# KiCad board RGBSUB.kicad_pcb
title: EnvKB; date: 2021-04-06; rev: Rev.1
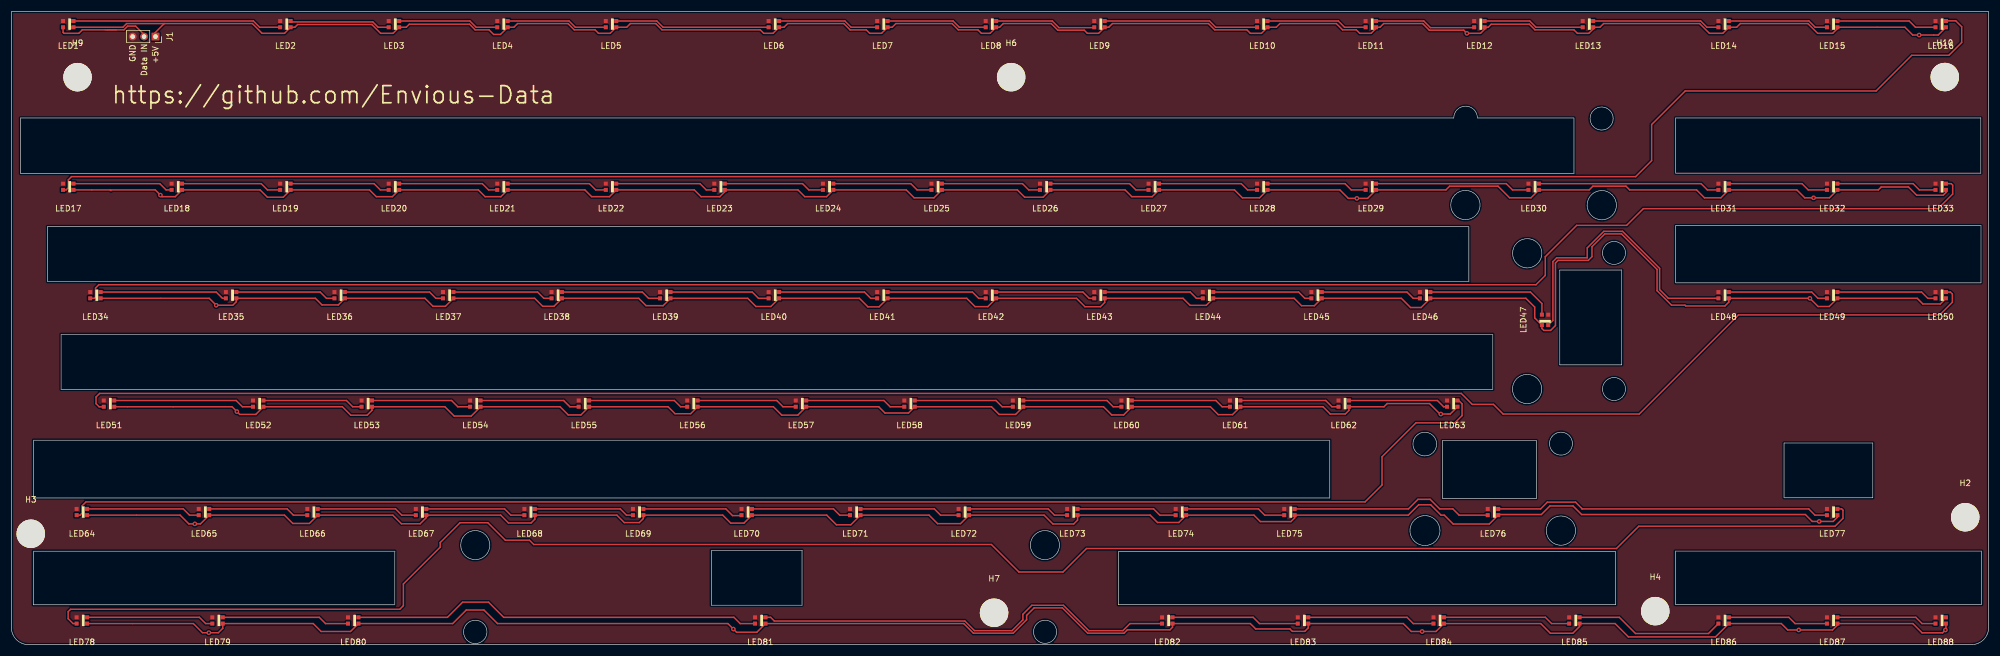
[diagram p0: board, top side]
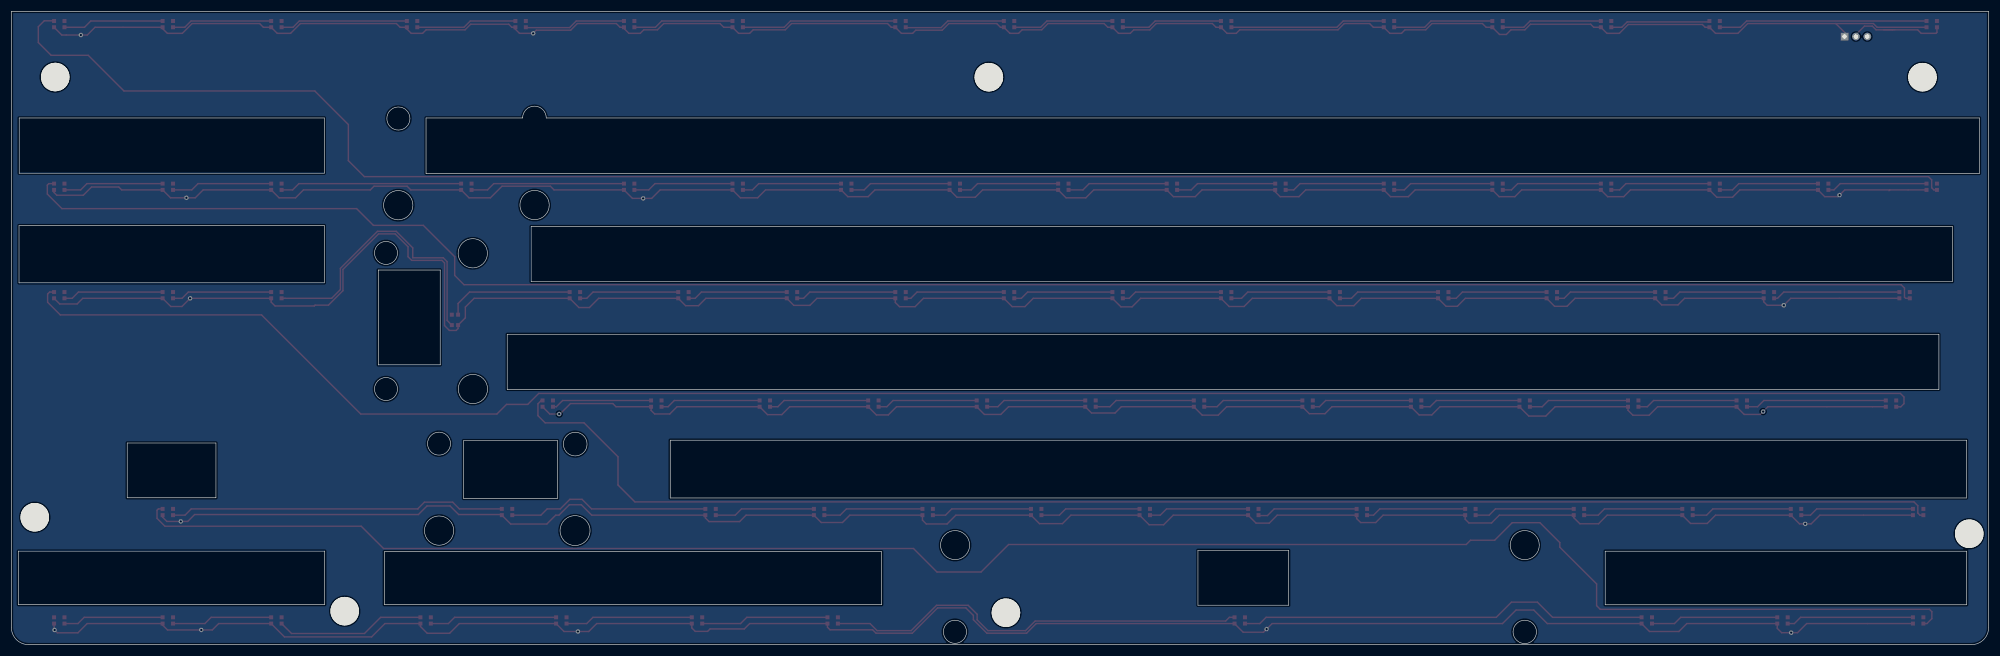
[diagram p1: board, bottom side, seen from below]

Outline 347 x 111.26 mm; copper layers: Top, Bottom. Coordinates in mm from the lower left corner of the outline.
Outline path: circle c81.41,2.23 r2.05 ; circle c81.41,17.48 r2.55 ; circle c181.38,17.48 r2.55 ; circle c181.41,2.25 r2.03 ; circle c248.05,35.23 r2.08 ; circle c248.08,20.03 r2.63 ; circle c255.18,77.23 r2.57 ; circle c266,44.91 r2.57 ; circle c266.03,68.76 r2.57 ; circle c271.94,20.03 r2.57 ; circle c271.95,35.31 r2.02 ; circle c279.08,92.44 r2.03 ; circle c279.11,77.21 r2.57 ; circle c281.26,68.82 r2.02 ; circle c281.26,44.91 r2.02 ; 0,3 0,111.26 347,111.26 347,3 arc(346.12,0.88) 344,0 3,0 arc(0.88,0.88) 0,3 ; 1.61,92.53 253.13,92.53 arc(255.21,94.61) 257.28,92.53 274.23,92.53 274.23,82.78 1.61,82.78 1.61,92.53 ; 3.85,16.41 67.29,16.41 67.29,7 3.85,7 3.85,16.41 ; 3.88,35.91 231.37,35.91 231.37,25.76 3.88,25.76 3.88,35.91 ; 6.35,73.45 255.78,73.45 255.78,63.78 6.35,63.78 6.35,73.45 ; 8.72,54.5 259.98,54.5 259.98,44.84 8.72,44.84 8.72,54.5 ; 122.83,16.56 138.76,16.56 138.76,6.92 122.83,6.92 122.83,16.56 ; 194.27,16.32 281.55,16.32 281.55,7.01 194.27,7.01 194.27,16.32 ; 251.14,35.84 267.64,35.84 267.64,25.69 251.14,25.69 251.14,35.84 ; 271.74,65.81 282.61,65.81 282.61,49.16 271.74,49.16 271.74,65.81 ; 292.01,16.42 345.77,16.42 345.77,7.03 292.01,7.03 292.01,16.42 ; 292.08,92.53 345.63,92.53 345.63,82.84 292.08,82.84 292.08,92.53 ; 292.08,73.62 345.66,73.62 345.66,63.56 292.08,63.56 292.08,73.62 ; 311.1,35.42 326.67,35.42 326.67,25.81 311.1,25.81 311.1,35.42

## Placement (name value [footprint] x y rotation side)
H2  MountingHole  [MountingHole_5mm]  342.9 22.38 0 top
H3  MountingHole  [MountingHole_5mm]  3.4 19.48 0 top
H4  MountingHole  [MountingHole_5mm]  288.5 5.88 0 top
H6  MountingHole  [MountingHole_5mm]  175.46 99.7 0 top
H7  MountingHole  [MountingHole_5mm]  172.46 5.6 0 top
H9  MountingHole  [MountingHole_5mm]  11.61 99.7 0 top
H10  MountingHole  [MountingHole_5mm]  339.31 99.72 0 top
J1  Conn_01x04  [PinSocket_1x03_P2.00mm_Vertical]  25.28 106.83 270 top
LED1  SK6812MINI-E  [WS2812-2020]  9.98 109.02 0 top
LED2  SK6812MINI-E  [WS2812-2020]  48.08 109.02 0 top
LED3  SK6812MINI-E  [WS2812-2020]  67.13 109.02 0 top
LED4  SK6812MINI-E  [WS2812-2020]  86.18 109.02 0 top
LED5  SK6812MINI-E  [WS2812-2020]  105.23 109.02 0 top
LED6  SK6812MINI-E  [WS2812-2020]  133.81 109.02 0 top
LED7  SK6812MINI-E  [WS2812-2020]  152.86 109.02 0 top
LED8  SK6812MINI-E  [WS2812-2020]  171.91 109.02 0 top
LED9  SK6812MINI-E  [WS2812-2020]  190.96 109.02 0 top
LED10  SK6812MINI-E  [WS2812-2020]  219.53 109.02 0 top
LED11  SK6812MINI-E  [WS2812-2020]  238.58 109.02 0 top
LED12  SK6812MINI-E  [WS2812-2020]  257.63 109.02 0 top
LED13  SK6812MINI-E  [WS2812-2020]  276.68 109.02 0 top
LED14  SK6812MINI-E  [WS2812-2020]  300.5 109.02 0 top
LED15  SK6812MINI-E  [WS2812-2020]  319.55 109.02 0 top
LED16  SK6812MINI-E  [WS2812-2020]  338.6 109.02 0 top
LED17  SK6812MINI-E  [WS2812-2020]  9.98 80.44 0 top
LED18  SK6812MINI-E  [WS2812-2020]  29.03 80.44 0 top
LED19  SK6812MINI-E  [WS2812-2020]  48.08 80.44 0 top
LED20  SK6812MINI-E  [WS2812-2020]  67.13 80.44 0 top
LED21  SK6812MINI-E  [WS2812-2020]  86.18 80.44 0 top
LED22  SK6812MINI-E  [WS2812-2020]  105.23 80.44 0 top
LED23  SK6812MINI-E  [WS2812-2020]  124.28 80.44 0 top
LED24  SK6812MINI-E  [WS2812-2020]  143.33 80.44 0 top
LED25  SK6812MINI-E  [WS2812-2020]  162.38 80.44 0 top
LED26  SK6812MINI-E  [WS2812-2020]  181.43 80.44 0 top
LED27  SK6812MINI-E  [WS2812-2020]  200.48 80.44 0 top
LED28  SK6812MINI-E  [WS2812-2020]  219.53 80.44 0 top
LED29  SK6812MINI-E  [WS2812-2020]  238.58 80.44 0 top
LED30  SK6812MINI-E  [WS2812-2020]  267.16 80.44 0 top
LED31  SK6812MINI-E  [WS2812-2020]  300.5 80.44 0 top
LED32  SK6812MINI-E  [WS2812-2020]  319.55 80.44 0 top
LED33  SK6812MINI-E  [WS2812-2020]  338.6 80.44 0 top
LED34  SK6812MINI-E  [WS2812-2020]  14.75 61.4 0 top
LED35  SK6812MINI-E  [WS2812-2020]  38.56 61.4 0 top
LED36  SK6812MINI-E  [WS2812-2020]  57.61 61.4 0 top
LED37  SK6812MINI-E  [WS2812-2020]  76.66 61.4 0 top
LED38  SK6812MINI-E  [WS2812-2020]  95.71 61.4 0 top
LED39  SK6812MINI-E  [WS2812-2020]  114.76 61.4 0 top
LED40  SK6812MINI-E  [WS2812-2020]  133.81 61.4 0 top
LED41  SK6812MINI-E  [WS2812-2020]  152.86 61.4 0 top
LED42  SK6812MINI-E  [WS2812-2020]  171.91 61.4 0 top
LED43  SK6812MINI-E  [WS2812-2020]  190.96 61.4 0 top
LED44  SK6812MINI-E  [WS2812-2020]  210.01 61.4 0 top
LED45  SK6812MINI-E  [WS2812-2020]  229.06 61.4 0 top
LED46  SK6812MINI-E  [WS2812-2020]  248.11 61.4 0 top
LED47  SK6812MINI-E  [WS2812-2020]  269.16 57.06 270 top
LED48  SK6812MINI-E  [WS2812-2020]  300.5 61.4 0 top
LED49  SK6812MINI-E  [WS2812-2020]  319.55 61.4 0 top
LED50  SK6812MINI-E  [WS2812-2020]  338.6 61.4 0 top
LED51  SK6812MINI-E  [WS2812-2020]  17.13 42.34 0 top
LED52  SK6812MINI-E  [WS2812-2020]  43.32 42.34 0 top
LED53  SK6812MINI-E  [WS2812-2020]  62.37 42.34 0 top
LED54  SK6812MINI-E  [WS2812-2020]  81.42 42.34 0 top
LED55  SK6812MINI-E  [WS2812-2020]  100.47 42.34 0 top
LED56  SK6812MINI-E  [WS2812-2020]  119.52 42.34 0 top
LED57  SK6812MINI-E  [WS2812-2020]  138.57 42.34 0 top
LED58  SK6812MINI-E  [WS2812-2020]  157.62 42.34 0 top
LED59  SK6812MINI-E  [WS2812-2020]  176.67 42.34 0 top
LED60  SK6812MINI-E  [WS2812-2020]  195.72 42.34 0 top
LED61  SK6812MINI-E  [WS2812-2020]  214.77 42.34 0 top
LED62  SK6812MINI-E  [WS2812-2020]  233.82 42.34 0 top
LED63  SK6812MINI-E  [WS2812-2020]  252.87 42.34 0 top
LED64  SK6812MINI-E  [WS2812-2020]  12.36 23.29 0 top
LED65  SK6812MINI-E  [WS2812-2020]  33.8 23.29 0 top
LED66  SK6812MINI-E  [WS2812-2020]  52.85 23.29 0 top
LED67  SK6812MINI-E  [WS2812-2020]  71.9 23.29 0 top
LED68  SK6812MINI-E  [WS2812-2020]  90.95 23.29 0 top
LED69  SK6812MINI-E  [WS2812-2020]  110 23.29 0 top
LED70  SK6812MINI-E  [WS2812-2020]  129.05 23.29 0 top
LED71  SK6812MINI-E  [WS2812-2020]  148.1 23.29 0 top
LED72  SK6812MINI-E  [WS2812-2020]  167.15 23.29 0 top
LED73  SK6812MINI-E  [WS2812-2020]  186.2 23.29 0 top
LED74  SK6812MINI-E  [WS2812-2020]  205.25 23.29 0 top
LED75  SK6812MINI-E  [WS2812-2020]  224.3 23.29 0 top
LED76  SK6812MINI-E  [WS2812-2020]  260.01 23.29 0 top
LED77  SK6812MINI-E  [WS2812-2020]  319.55 23.29 0 top
LED78  SK6812MINI-E  [WS2812-2020]  12.36 4.25 0 top
LED79  SK6812MINI-E  [WS2812-2020]  36.18 4.25 0 top
LED80  SK6812MINI-E  [WS2812-2020]  59.99 4.25 0 top
LED81  SK6812MINI-E  [WS2812-2020]  131.43 4.25 0 top
LED82  SK6812MINI-E  [WS2812-2020]  202.86 4.25 0 top
LED83  SK6812MINI-E  [WS2812-2020]  226.68 4.25 0 top
LED84  SK6812MINI-E  [WS2812-2020]  250.49 4.25 0 top
LED85  SK6812MINI-E  [WS2812-2020]  274.3 4.25 0 top
LED86  SK6812MINI-E  [WS2812-2020]  300.5 4.25 0 top
LED87  SK6812MINI-E  [WS2812-2020]  319.55 4.25 0 top
LED88  SK6812MINI-E  [WS2812-2020]  338.6 4.25 0 top

## Footprints (pads in the part's own frame, mm; a bottom-side part is the same pattern mirrored in y, then rotated)
MountingHole_5mm
  round 5 hole 5 unplated: (0,0)
PinSocket_1x03_P2.00mm_Vertical
  rect 1.35x1.35 hole 0.8: 1(0,0)
  oval 1.35x1.35 hole 0.8: 2(0,-2) 3(0,-4)
WS2812-2020
  rect 0.7x0.7 smd: 1(0.915,-0.55) 2(0.915,0.55) 3(-0.915,0.55) 4(-0.915,-0.55)

## Nets
GND: J1.3 LED1.3 LED2.3 LED3.3 LED4.3 LED5.3 LED6.3 LED7.3 LED8.3 LED9.3 LED10.3 LED11.3 LED12.3 LED13.3 LED14.3 LED15.3 LED16.3 LED17.3 LED18.3 LED19.3 LED20.3 LED21.3 LED22.3 LED23.3 LED24.3 LED25.3 LED26.3 LED27.3 LED28.3 LED29.3 LED30.3 LED31.3 LED32.3 LED33.3 LED34.3 LED35.3 LED36.3 LED37.3 LED38.3 LED39.3 LED40.3 LED41.3 LED42.3 LED43.3 LED44.3 LED45.3 LED46.3 LED47.3 LED48.3 LED49.3 LED50.3 LED51.3 LED52.3 LED53.3 LED54.3 LED55.3 LED56.3 LED57.3 LED58.3 LED59.3 LED60.3 LED61.3 LED62.3 LED63.3 LED64.3 LED65.3 LED66.3 LED67.3 LED68.3 LED69.3 LED70.3 LED71.3 LED72.3 LED73.3 LED74.3 LED75.3 LED76.3 LED77.3 LED78.3 LED79.3 LED80.3 LED81.3 LED82.3 LED83.3 LED84.3 LED85.3 LED86.3 LED87.3 LED88.3
LEDPIN: J1.2 LED1.4
R1-R2: LED16.2 LED17.4
R2-R3: LED33.2 LED34.4
R3-R4: LED50.2 LED51.4
R4-R5: LED63.2 LED64.4
R5-R6: LED77.2 LED78.4
USBVBUS: J1.1 LED1.1 LED2.1 LED3.1 LED4.1 LED5.1 LED6.1 LED7.1 LED8.1 LED9.1 LED10.1 LED11.1 LED12.1 LED13.1 LED14.1 LED15.1 LED16.1 LED17.1 LED18.1 LED19.1 LED20.1 LED21.1 LED22.1 LED23.1 LED24.1 LED25.1 LED26.1 LED27.1 LED28.1 LED29.1 LED30.1 LED31.1 LED32.1 LED33.1 LED34.1 LED35.1 LED36.1 LED37.1 LED38.1 LED39.1 LED40.1 LED41.1 LED42.1 LED43.1 LED44.1 LED45.1 LED46.1 LED47.1 LED48.1 LED49.1 LED50.1 LED64.1 LED65.1 LED66.1 LED67.1 LED68.1 LED69.1 LED70.1 LED71.1 LED72.1 LED73.1 LED74.1 LED75.1 LED76.1 LED77.1 LED78.1 LED79.1 LED80.1 LED81.1 LED82.1 LED83.1 LED84.1 LED85.1 LED86.1 LED87.1 LED88.1
Net-(LED1-Pad2): LED1.2 LED2.4
Net-(LED2-Pad2): LED2.2 LED3.4
Net-(LED3-Pad2): LED3.2 LED4.4
Net-(LED4-Pad2): LED4.2 LED5.4
Net-(LED5-Pad2): LED5.2 LED6.4
Net-(LED6-Pad2): LED6.2 LED7.4
Net-(LED7-Pad2): LED7.2 LED8.4
Net-(LED8-Pad2): LED8.2 LED9.4
Net-(LED10-Pad2): LED10.2 LED11.4
Net-(LED10-Pad4): LED9.2 LED10.4
Net-(LED11-Pad2): LED11.2 LED12.4
Net-(LED12-Pad2): LED12.2 LED13.4
Net-(LED13-Pad2): LED13.2 LED14.4
Net-(LED14-Pad2): LED14.2 LED15.4
Net-(LED15-Pad2): LED15.2 LED16.4
Net-(LED17-Pad2): LED17.2 LED18.4
Net-(LED18-Pad2): LED18.2 LED19.4
Net-(LED19-Pad2): LED19.2 LED20.4
Net-(LED20-Pad2): LED20.2 LED21.4
Net-(LED21-Pad2): LED21.2 LED22.4
Net-(LED22-Pad2): LED22.2 LED23.4
Net-(LED23-Pad2): LED23.2 LED24.4
Net-(LED24-Pad2): LED24.2 LED25.4
Net-(LED25-Pad2): LED25.2 LED26.4
Net-(LED26-Pad2): LED26.2 LED27.4
Net-(LED27-Pad2): LED27.2 LED28.4
Net-(LED28-Pad2): LED28.2 LED29.4
Net-(LED29-Pad2): LED29.2 LED30.4
Net-(LED30-Pad2): LED30.2 LED31.4
Net-(LED31-Pad2): LED31.2 LED32.4
Net-(LED32-Pad2): LED32.2 LED33.4
Net-(LED34-Pad2): LED34.2 LED35.4
Net-(LED35-Pad2): LED35.2 LED36.4
Net-(LED36-Pad2): LED36.2 LED37.4
Net-(LED37-Pad2): LED37.2 LED38.4
Net-(LED38-Pad2): LED38.2 LED39.4
Net-(LED39-Pad2): LED39.2 LED40.4
Net-(LED40-Pad2): LED40.2 LED41.4
Net-(LED41-Pad2): LED41.2 LED42.4
Net-(LED42-Pad2): LED42.2 LED43.4
Net-(LED43-Pad2): LED43.2 LED44.4
Net-(LED44-Pad2): LED44.2 LED45.4
Net-(LED45-Pad2): LED45.2 LED46.4
Net-(LED46-Pad2): LED46.2 LED47.4
Net-(LED47-Pad2): LED47.2 LED48.4
Net-(LED48-Pad2): LED48.2 LED49.4
Net-(LED49-Pad2): LED49.2 LED50.4
Net-(LED51-Pad1): LED51.1 LED52.1 LED53.1 LED54.1 LED55.1 LED56.1 LED57.1 LED58.1 LED59.1 LED60.1 LED61.1 LED62.1 LED63.1
Net-(LED51-Pad2): LED51.2 LED52.4
Net-(LED52-Pad2): LED52.2 LED53.4
Net-(LED53-Pad2): LED53.2 LED54.4
Net-(LED54-Pad2): LED54.2 LED55.4
Net-(LED55-Pad2): LED55.2 LED56.4
Net-(LED56-Pad2): LED56.2 LED57.4
Net-(LED57-Pad2): LED57.2 LED58.4
Net-(LED58-Pad2): LED58.2 LED59.4
Net-(LED59-Pad2): LED59.2 LED60.4
Net-(LED60-Pad2): LED60.2 LED61.4
Net-(LED61-Pad2): LED61.2 LED62.4
Net-(LED62-Pad2): LED62.2 LED63.4
Net-(LED64-Pad2): LED64.2 LED65.4
Net-(LED65-Pad2): LED65.2 LED66.4
Net-(LED66-Pad2): LED66.2 LED67.4
Net-(LED67-Pad2): LED67.2 LED68.4
Net-(LED68-Pad2): LED68.2 LED69.4
Net-(LED69-Pad2): LED69.2 LED70.4
Net-(LED70-Pad2): LED70.2 LED71.4
Net-(LED71-Pad2): LED71.2 LED72.4
Net-(LED72-Pad2): LED72.2 LED73.4
Net-(LED73-Pad2): LED73.2 LED74.4
Net-(LED74-Pad2): LED74.2 LED75.4
Net-(LED75-Pad2): LED75.2 LED76.4
Net-(LED76-Pad2): LED76.2 LED77.4
Net-(LED78-Pad2): LED78.2 LED79.4
Net-(LED79-Pad2): LED79.2 LED80.4
Net-(LED80-Pad2): LED80.2 LED81.4
Net-(LED81-Pad2): LED81.2 LED82.4
Net-(LED82-Pad2): LED82.2 LED83.4
Net-(LED83-Pad2): LED83.2 LED84.4
Net-(LED84-Pad2): LED84.2 LED85.4
Net-(LED85-Pad2): LED85.2 LED86.4
Net-(LED86-Pad2): LED86.2 LED87.4
Net-(LED87-Pad2): LED87.2 LED88.4

Pads without a net: LED88 2

## Via types
v1: diameter 0.8, hole 0.4, Top to Bottom, 16 vias

## Routing (per net, layer and track width the routed paths; a pad name or vN(x,y) marks a point on that pad's centre or on a via; arc(x,y) is an arc through that point)
LEDPIN: length 17.8
  Top w0.25: LED1.4 9.07,107.57 9.23,107.41 11.83,107.41 12.45,108.02 16.79,108.02 ; 16.79,108.02 18.42,108.02 ; 16.79,108.02 19.75,108.02 20.4,108.67 21.79,108.67 23.21,107.25
R1-R2: length 354.4
  Top w0.25: LED17.4 9.61,79.9 9.99,80.28 9.99,81.66 10.55,82.22 285.05,82.22 287.86,85.03 287.86,91.38 293.75,97.27 327.24,97.27 333.51,103.55 340.02,103.55 342.27,105.8 342.27,108.56 341.23,109.6 339.55,109.6 LED16.2
R2-R3: length 340.2
  Top w0.25: LED34.4 14.56,60.84 14.76,61.04 14.76,62.65 15.35,63.24 267.56,63.24 269.2,64.87 269.2,68.16 274.71,73.66 283.47,73.66 286.41,76.6 338.13,76.6 340.69,79.16 340.69,80.73 340.43,81 LED33.2
R3-R4: length 341.2
  Top w0.25: LED51.4 16.2,41.78 15.4,41.78 14.85,42.34 14.85,43.5 15.48,44.13 254.45,44.13 256.38,42.2 260.1,42.2 261.79,40.51 285.68,40.51 303.1,57.93 338.42,57.93 340.64,60.16 340.64,61.59 340.29,61.94 LED50.2
R4-R5: length 257.2
  Top w0.25: LED64.4 12.05,22.75 12.42,23.12 12.42,24.41 13.09,25.07 237.57,25.07 240.54,28.04 240.54,33 246.5,38.97 253.32,38.97 254.59,40.23 254.59,42.31 254,42.9 LED63.2
R5-R6: length 333.7
  Top w0.25: LED77.2 321.2,23.84 321.44,23.61 321.44,22.19 320.05,20.8 285.6,20.8 281.69,16.88 188.69,16.88 184.56,12.76 176.82,12.76 171.99,17.59 91.68,17.59 90.92,18.34 86.68,18.34 83.61,21.42 78.74,21.42 75.26,17.93 75.26,17.12 68.79,10.66 68.79,6.85 68.15,6.21 10.38,6.21 9.96,5.79 9.96,4.56 10.83,3.69 LED78.4
USBVBUS: length 1742.2
  Top w0.25: LED78.1 31.93,3.69 33.53,2.09 v1(34.65,2.09) 36.32,2.09 37.09,2.86 LED79.1 52.96,3.69 54.35,2.31 59.51,2.31 LED80.1 77.44,3.69 79.82,6.07 82.93,6.07 85.31,3.69 125.74,3.69 v1(126.71,2.73) 127.26,2.17 130.82,2.17 LED81.1 167.14,3.69 168.83,2 175.8,2.01 178.17,4.38 178.17,5.13 179.49,6.45 184.45,6.45 188.9,2.01 195.25,2.01 195.85,2.6 203.33,2.6 203.78,3.05 LED82.1 217.43,3.69 218.37,2.75 224.38,2.75 224.81,2.32 226.98,2.32 227.59,2.93 LED83.1 244.28,3.69 245.67,2.31 v1(247.58,2.31) 250.01,2.31 LED84.1 268.39,3.69 270.09,2 274.02,2 275.22,3.19 LED85.1 281.44,3.69 283.78,1.35 299.07,1.35 LED86.1 310.62,3.69 311.74,2.57 v1(313.68,2.57) 319.6,2.57 320.46,3.43 LED87.1 333.7,3.69 335.32,2.07 338.93,2.07 v1(339.42,2.57) 339.51,2.66 LED88.1 ; LED64.1 29.61,22.75 31.14,21.22 v1(32.19,21.22) 33.18,21.22 LED65.1 47.92,22.75 49.38,21.28 52.3,21.28 LED66.1 66.94,22.75 68.45,21.23 71.73,21.23 72.81,22.31 LED67.1 85.86,22.75 87.23,21.38 91.2,21.38 91.86,22.03 LED68.1 106.26,22.75 107.56,21.44 110.2,21.44 110.91,22.15 LED69.1 124.84,22.75 126.24,21.34 128.56,21.34 LED70.1 143.09,22.75 144.78,21.06 147.32,21.06 LED71.1 161.05,22.75 162.54,21.25 166.57,21.25 LED72.1 181.24,22.75 182.79,21.19 186.43,21.19 187.11,21.87 LED73.1 199.85,22.75 201.14,21.45 204.87,21.45 LED74.1 218.06,22.75 219.19,21.62 224.56,21.62 225.21,22.26 LED75.1 245.15,22.75 246.98,24.57 249.07,24.57 250.9,22.75 251.47,22.75 253.03,21.19 259.37,21.19 LED76.1 261.04,22.85 268.5,22.85 270.01,24.37 274.06,24.37 275.57,22.85 314.84,22.85 316.05,21.65 v1(317.27,21.65) 319.71,21.65 320.46,22.39 LED77.1 ; LED34.1 34.72,60.84 v1(35.94,59.62) 38.85,59.62 39.47,60.25 LED35.1 53.35,60.84 54.51,59.69 57.36,59.69 LED36.1 72.58,60.84 73.98,59.44 76.17,59.44 LED37.1 91.83,60.84 93.23,59.44 95.22,59.44 LED38.1 110.09,60.84 111.38,59.56 114.38,59.56 LED39.1 129.22,60.84 130.66,59.41 133.28,59.41 LED40.1 148.82,60.84 150.32,59.34 152.27,59.34 LED41.1 167.66,60.84 169.12,59.38 171.36,59.38 LED42.1 186.93,60.84 188.4,59.38 191.13,59.38 191.87,60.12 LED43.1 205.62,60.84 206.86,59.6 209.68,59.6 LED44.1 225.12,60.84 226.42,59.54 228.67,59.54 LED45.1 243.93,60.84 245.55,59.22 247.4,59.22 LED46.1 265.79,60.84 267.33,59.31 267.33,57.41 LED47.1 268.61,55.54 268.94,55.2 270.13,55.2 270.98,56.06 270.98,67.06 271.44,67.51 276.75,67.51 277.39,68.16 277.39,69.91 279.65,72.16 282.57,72.16 288.81,65.92 288.81,62.19 291.36,59.65 293.7,59.65 293.84,59.5 300.73,59.5 301.41,60.18 LED48.1 v1(315.64,60.84) 317.08,59.41 319.02,59.41 LED49.1 334.47,60.84 335.46,59.86 338.52,59.86 LED50.1 ; 26.82,109.12 25.21,107.5 25.21,107.25 ; 26.82,109.12 20.22,109.12 19.57,108.47 LED1.1 ; 26.82,109.12 42.28,109.12 44,107.41 47.93,107.41 LED2.1 49.75,108.47 50.23,108.95 63.25,108.95 64.8,107.41 66.98,107.41 LED3.1 69.3,108.47 69.83,109 80.4,109 81.38,108.02 83.82,108.02 84.63,107.2 85.83,107.2 87.1,108.47 88.18,108.47 88.83,109.12 97.68,109.12 98.78,108.02 102.42,108.02 103.03,107.41 105.08,107.41 LED5.1 107.98,108.47 108.63,109.12 113.08,109.12 114.18,108.02 131.42,108.02 132.03,107.41 133.66,107.41 LED6.1 135.58,108.47 136.23,109.12 146.08,109.12 147.2,108 150.03,108 150.63,107.41 152.71,107.41 LED7.1 154.58,108.47 155.23,109.12 165.08,109.12 166.18,108.02 169.62,108.02 170.23,107.41 171.76,107.41 LED8.1 173.42,108.47 174.07,109.12 182.48,109.12 183.65,107.95 188.28,107.95 188.83,107.41 190.81,107.41 LED9.1 192.58,108.47 193.23,109.12 210.08,109.12 211.18,108.02 216.82,108.02 217.43,107.41 219.38,107.41 220.45,108.47 221.98,108.47 222.63,109.12 232.52,109.12 233.62,108.02 236.02,108.02 236.63,107.41 238.63,107.41 239.5,108.27 239.5,108.47 240.18,108.47 240.83,109.12 247.68,109.12 248.85,107.95 254.88,107.95 v1(255.43,107.41) 257.83,107.41 258.55,108.12 LED12.1 259.18,108.47 259.72,109 266.4,109 267.38,108.02 274.22,108.02 274.83,107.41 276.83,107.41 277.6,108.17 LED13.1 278.78,108.47 279.43,109.12 296.28,109.12 298,107.41 300.35,107.41 LED14.1 302.78,108.47 303.43,109.12 315.28,109.12 317,107.41 319.63,107.41 320.46,108.23 LED15.1 332.32,108.47 333.68,107.1 v1(334.81,107.1) 338.15,107.1 LED16.1 ; LED33.1 339.51,79.43 339.03,78.95 334.38,78.95 332.93,80.41 328.15,80.41 327.64,79.9 LED32.1 319.07,78.5 v1(316.28,78.5) 314.73,78.5 313.34,79.9 LED31.1 300.02,78.5 297.13,78.5 295.74,79.9 284,79.9 283.35,80.54 277.55,80.54 276.9,79.9 LED30.1 266.68,78.5 262.93,78.5 260.89,80.54 252.41,80.54 251.76,79.9 239.5,79.9 238.01,78.41 v1(236.13,78.41) 234.63,78.41 233.14,79.9 220.45,79.9 219.06,78.5 216.03,78.5 214.64,79.9 LED27.1 200.21,78.7 196.63,78.7 195.44,79.9 182.35,79.9 181.06,78.6 177.83,78.6 176.54,79.9 LED25.1 161.91,78.5 158.43,78.5 157.04,79.9 LED24.1 143.06,78.7 139.23,78.7 138.04,79.9 LED23.1 125.2,79.57 124.33,78.7 121.03,78.7 119.84,79.9 LED22.1 104.96,78.7 101.83,78.7 100.64,79.9 87.1,79.9 85.91,78.7 83.13,78.7 81.94,79.9 LED20.1 66.86,78.7 64.03,78.7 62.84,79.9 LED19.1 47.71,78.6 44.93,78.6 43.64,79.9 LED18.1 28.76,78.7 26.43,78.7 v1(26.16,78.98) 25.24,79.9 17.34,79.9 ; 17.34,79.9 LED17.1 ; 17.34,79.9 17.48,79.75
Net-(LED1-Pad2): length 36.7
  Top w0.25: 47.17,108.47 43.57,108.47 42.47,109.57 LED1.2
Net-(LED2-Pad2): length 17.7
  Top w0.25: LED2.2 49.16,109.41 63.43,109.41 64.37,108.47 LED3.4
Net-(LED3-Pad2): length 17.7
  Top w0.25: LED4.4 81.57,108.47 80.47,109.57 LED3.2
Net-(LED4-Pad2): length 17.7
  Top w0.25: 87.1,109.57 97.87,109.57 98.97,108.47 LED5.4
Net-(LED5-Pad2): length 27.2
  Top w0.25: LED5.2 113.27,109.57 114.37,108.47 LED6.4
Net-(LED6-Pad2): length 17.7
  Top w0.25: LED7.4 147.37,108.47 146.27,109.57 LED6.2
Net-(LED7-Pad2): length 17.7
  Top w0.25: LED8.4 166.37,108.47 165.27,109.57 LED7.2
Net-(LED8-Pad2): length 17.7
  Top w0.25: LED8.2 182.67,109.57 183.83,108.41 189.98,108.41 LED9.4
Net-(LED10-Pad2): length 17.7
  Top w0.25: LED11.4 233.97,108.47 232.87,109.57 220.45,109.57
Net-(LED10-Pad4): length 27.2
  Top w0.25: 218.62,108.47 211.37,108.47 210.27,109.57 LED9.2
Net-(LED11-Pad2): length 17.7
  Top w0.25: LED12.4 256.65,108.41 249.03,108.41 247.87,109.57 239.5,109.57
Net-(LED12-Pad2): length 17.7
  Top w0.25: 275.77,108.47 267.57,108.47 266.47,109.57 LED12.2
Net-(LED13-Pad2): length 22.4
  Top w0.25: LED14.4 297.57,108.47 296.47,109.57 LED13.2
Net-(LED14-Pad2): length 17.7
  Top w0.25: LED15.4 316.57,108.47 315.47,109.57 LED14.2
Net-(LED15-Pad2): length 17.7
  Top w0.25: LED16.4 334.17,108.47 333.07,109.57 LED15.2
Net-(LED17-Pad2): length 17.7
  Top w0.25: 28.12,79.9 27.14,79.9 26.04,81 LED17.2
Net-(LED18-Pad2): length 17.7
  Top w0.25: 47.17,79.9 44.94,79.9 43.84,81 LED18.2
Net-(LED19-Pad2): length 17.7
  Top w0.25: LED20.4 64.74,79.9 63.64,81 LED19.2
Net-(LED20-Pad2): length 17.7
  Top w0.25: LED20.2 82.64,81 83.74,79.9 LED21.4
Net-(LED21-Pad2): length 17.7
  Top w0.25: 87.1,81 101.44,81 102.54,79.9 LED22.4
Net-(LED22-Pad2): length 17.7
  Top w0.25: LED22.2 120.84,81 121.94,79.9 LED23.4
Net-(LED23-Pad2): length 17.7
  Top w0.25: LED24.4 139.94,79.9 138.84,81 LED23.2
Net-(LED24-Pad2): length 17.7
  Top w0.25: LED24.2 157.84,81 158.94,79.9 LED25.4
Net-(LED25-Pad2): length 17.7
  Top w0.25: LED25.2 177.44,81 178.54,79.9 LED26.4
Net-(LED26-Pad2): length 17.7
  Top w0.25: 182.35,81 196.24,81 197.34,79.9 LED27.4
Net-(LED27-Pad2): length 17.7
  Top w0.25: LED27.2 215.84,81 216.94,79.9 218.62,79.9
Net-(LED28-Pad2): length 17.7
  Top w0.25: 220.45,81 234.04,81 235.14,79.9 LED29.4
Net-(LED29-Pad2): length 27.2
  Top w0.25: LED30.4 263.44,79.9 262.34,81 239.5,81
Net-(LED30-Pad2): length 32
  Top w0.25: LED31.4 297.64,79.9 296.54,81 LED30.2
Net-(LED31-Pad2): length 17.7
  Top w0.25: LED32.4 315.34,79.9 314.24,81 LED31.2
Net-(LED32-Pad2): length 17.7
  Top w0.25: LED33.4 334.84,79.9 333.74,81 LED32.2
Net-(LED34-Pad2): length 22.4
  Top w0.25: LED35.4 37.04,60.84 35.94,61.94 LED34.2
Net-(LED35-Pad2): length 17.7
  Top w0.25: LED36.4 55.29,60.84 54.19,61.94 LED35.2
Net-(LED36-Pad2): length 17.7
  Top w0.25: LED37.4 74.49,60.84 73.39,61.94 LED36.2
Net-(LED37-Pad2): length 17.7
  Top w0.25: LED38.4 93.44,60.84 92.34,61.94 LED37.2
Net-(LED38-Pad2): length 17.7
  Top w0.25: LED39.4 111.82,60.84 110.72,61.94 LED38.2
Net-(LED39-Pad2): length 17.7
  Top w0.25: LED39.2 130.01,61.94 131.11,60.84 LED40.4
Net-(LED40-Pad2): length 17.7
  Top w0.25: LED40.2 149.71,61.94 150.81,60.84 LED41.4
Net-(LED41-Pad2): length 17.7
  Top w0.25: LED42.4 169.75,60.84 168.65,61.94 LED41.2
Net-(LED42-Pad2): length 17.7
  Top w0.25: LED42.2 188.05,61.94 189.15,60.84 LED43.4
Net-(LED43-Pad2): length 17.7
  Top w0.25: LED43.2 206.87,61.94 207.97,60.84 LED44.4
Net-(LED44-Pad2): length 17.7
  Top w0.25: LED44.2 225.9,61.94 227,60.84 LED45.4
Net-(LED45-Pad2): length 17.7
  Top w0.25: LED45.2 244.92,61.94 246.02,60.84 LED46.4
Net-(LED46-Pad2): length 22.4
  Top w0.25: LED46.2 266.59,61.94 268.61,59.93 LED47.4
Net-(LED47-Pad2): length 50.8
  Top w0.25: LED47.2 270.53,56.97 270.53,67.29 271.2,67.97 276.56,67.97 276.56,69.72 279.46,72.62 282.75,72.62 289.26,66.1 289.26,62.38 290.79,60.84 LED48.4
Net-(LED48-Pad2): length 17.7
  Top w0.25: LED49.4 317.05,60.84 315.95,61.94 LED48.2
Net-(LED49-Pad2): length 17.7
  Top w0.25: LED49.2 335.23,61.94 336.33,60.84 LED50.4
Net-(LED51-Pad1): length 250.6
  Top w0.25: LED63.1 252.51,40.51 v1(250.87,40.51) 250.72,40.51 248.88,42.35 241.45,42.35 240.89,41.79 LED62.1 234.74,41.16 234.1,40.53 231.45,40.53 230.18,41.79 LED61.1 214.3,40.41 211.8,40.41 210.41,41.79 LED60.1 195.2,40.35 193.1,40.35 191.66,41.79 LED59.1 176.24,40.44 173.35,40.44 172,41.79 LED58.1 157.44,40.69 153.31,40.69 152.21,41.79 LED57.1 138.01,40.31 135.2,40.31 133.72,41.79 LED56.1 119.22,40.57 116.46,40.57 115.24,41.79 LED55.1 99.95,40.35 97.72,40.35 96.28,41.79 LED54.1 80.7,40.16 77.71,40.16 76.07,41.79 LED53.1 63.29,41.17 62.42,40.31 59.57,40.31 58.08,41.79 LED52.1 42.89,40.44 40.07,40.44 v1(39.57,40.94) 38.72,41.79 LED51.1
Net-(LED51-Pad2): length 24.8
  Top w0.25: LED52.4 40.54,41.79 39.44,42.9 LED51.2
Net-(LED52-Pad2): length 17.7
  Top w0.25: LED53.4 59.89,41.79 58.79,42.9 LED52.2
Net-(LED53-Pad2): length 17.7
  Top w0.25: LED53.2 77.24,42.9 78.34,41.79 LED54.4
Net-(LED54-Pad2): length 17.7
  Top w0.25: LED55.4 98.01,41.79 96.91,42.9 LED54.2
Net-(LED55-Pad2): length 17.7
  Top w0.25: LED56.4 117.44,41.79 116.34,42.9 LED55.2
Net-(LED56-Pad2): length 17.7
  Top w0.25: LED57.4 135.41,41.79 134.31,42.9 LED56.2
Net-(LED57-Pad2): length 17.7
  Top w0.25: LED57.2 153.11,42.9 154.21,41.79 LED58.4
Net-(LED58-Pad2): length 17.7
  Top w0.25: LED59.4 173.88,41.79 172.78,42.9 LED58.2
Net-(LED59-Pad2): length 17.7
  Top w0.25: LED60.4 193.36,41.79 192.26,42.9 LED59.2
Net-(LED60-Pad2): length 17.7
  Top w0.25: LED61.4 212.48,41.79 211.38,42.9 LED60.2
Net-(LED61-Pad2): length 17.7
  Top w0.25: LED62.4 231.75,41.79 230.65,42.9 LED61.2
Net-(LED62-Pad2): length 17.7
  Top w0.25: LED63.4 251.36,41.79 250.26,42.9 LED62.2
Net-(LED64-Pad2): length 20.1
  Top w0.25: LED65.4 31.26,22.75 30.16,23.84 LED64.2
Net-(LED65-Pad2): length 17.7
  Top w0.25: LED65.2 48.39,23.84 49.49,22.75 LED66.4
Net-(LED66-Pad2): length 17.7
  Top w0.25: LED66.2 67.41,23.84 68.51,22.75 LED67.4
Net-(LED67-Pad2): length 17.7
  Top w0.25: LED68.4 87.65,22.75 86.55,23.84 LED67.2
Net-(LED68-Pad2): length 17.7
  Top w0.25: LED69.4 107.94,22.75 106.84,23.84 LED68.2
Net-(LED69-Pad2): length 17.7
  Top w0.25: LED69.2 125.38,23.84 126.55,22.67 128.06,22.67 LED70.4
Net-(LED70-Pad2): length 17.7
  Top w0.25: LED70.2 144.27,23.84 145.37,22.75 LED71.4
Net-(LED71-Pad2): length 17.7
  Top w0.25: LED71.2 161.97,23.84 163.07,22.75 LED72.4
Net-(LED72-Pad2): length 17.7
  Top w0.25: LED73.4 183.06,22.75 181.96,23.84 LED72.2
Net-(LED73-Pad2): length 17.7
  Top w0.25: LED73.2 200.45,23.84 201.55,22.75 LED74.4
Net-(LED74-Pad2): length 17.7
  Top w0.25: LED75.4 219.96,22.75 218.86,23.84 LED74.2
Net-(LED75-Pad2): length 35.7
  Top w0.25: LED75.2 245.17,23.84 246.85,25.53 248.99,25.53 250.67,23.84 252.97,23.84 254.07,22.75 LED76.4
Net-(LED76-Pad2): length 59.2
  Top w0.25: LED77.4 316.53,22.75 315.43,23.84 275.66,23.84 275.66,23.88 274.51,25.03 269.55,25.03 268.37,23.84 LED76.2
Net-(LED78-Pad2): length 22.4
  Top w0.25: LED78.2 32.99,4.79 34.09,3.69 LED79.4
Net-(LED79-Pad2): length 22.4
  Top w0.25: LED79.2 54.03,4.79 55.13,3.69 LED80.4
Net-(LED80-Pad2): length 72.3
  Top w0.25: LED81.4 127.9,3.69 126.8,4.79 86.4,4.79 83.74,7.45 79.18,7.45 76.52,4.79 LED80.2
Net-(LED81-Pad2): length 75.4
  Top w0.25: LED82.4 196.31,3.69 195.07,2.46 189.08,2.46 184.63,6.91 179.08,6.91 177.51,5.34 177.51,4.35 175.61,2.46 169.02,2.46 167.33,4.15 133.89,4.15 133.24,4.79 LED81.2
Net-(LED82-Pad2): length 22.4
  Top w0.25: LED83.4 219.03,3.69 217.93,4.79 LED82.2
Net-(LED83-Pad2): length 22.4
  Top w0.25: LED83.2 244.93,4.79 246.03,3.69 LED84.4
Net-(LED84-Pad2): length 22.4
  Top w0.25: LED85.4 270.31,3.69 269.21,4.79 LED84.2
Net-(LED85-Pad2): length 26.3
  Top w0.25: LED86.4 297.84,1.95 285.03,1.95 282.19,4.79 LED85.2
Net-(LED86-Pad2): length 17.7
  Top w0.25: LED87.4 313.04,3.69 311.94,4.79 LED86.2
Net-(LED87-Pad2): length 17.7
  Top w0.25: LED88.4 335.32,3.69 334.22,4.79 LED87.2

## Copper pours and planes (outline as drawn; the poured copper is in the pictures)
GND on Top: 347.05,-0.06 -0.06,-0.06 -0.06,111.31 347.05,111.31
USBVBUS on Bottom: 347.05,-0.06 -0.06,-0.06 -0.06,111.31 347.05,111.31

## Text on the board
F.SilkS: GND | Data IN | +5V | https://github.com/Envious-Data
